# Altium PCB AD9361_EXT.PcbDoc (part 8 of 9) (continued)
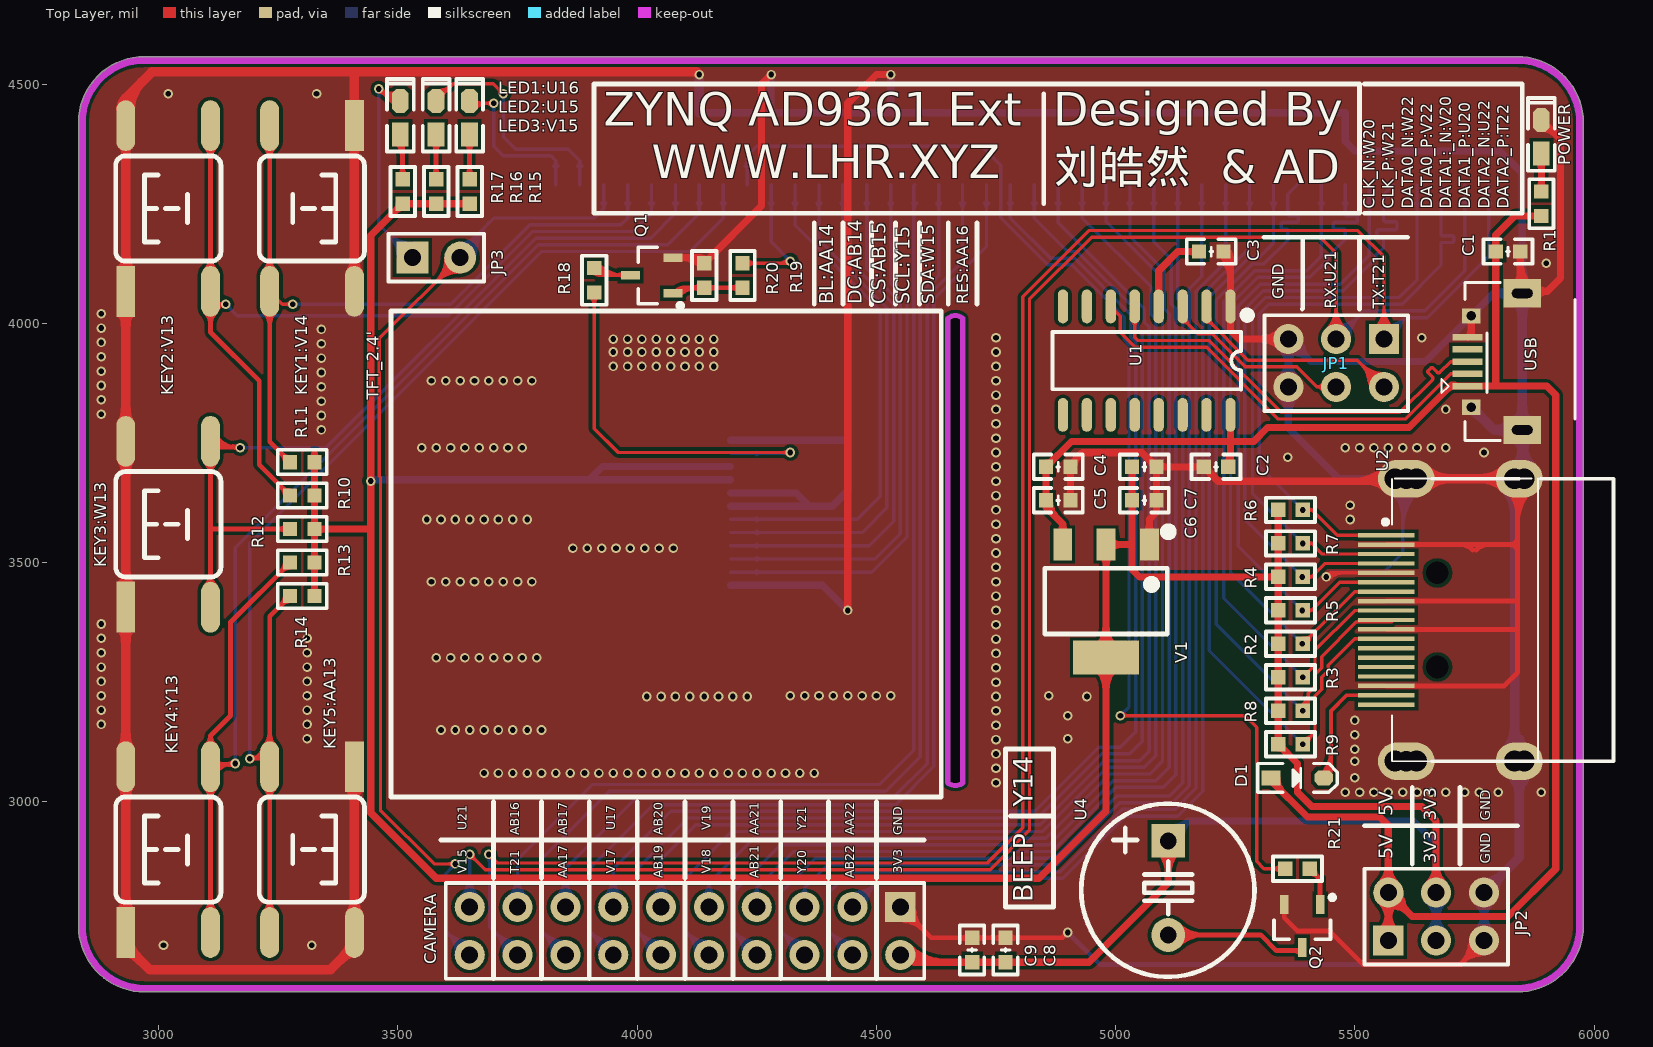
[diagram p0: Top Layer view]
## Nets (pads, with @x,y where several pads share a name; then routed paths per layer and width w, separated by ;. In a path a pad name is that pad's centre, name@x,y a point inside that pad or via, vN(x,y) a via of type N, cw(c..) or ccw(c..) an arc to the next point about the centre after c; other vN are vias at no path point) (continued)
  Bottom Layer w7: v1(3460,4490) 3460,4207.4 JP3.1@3530,4137.4 ; v1@3455.4,4485.4 cw(c3444.31,4474.31) 3460,4474.31 ; v1@3455.4,4485.4 cw(c3444.31,4474.31) 3460,4474.31 ; v1@3455.4,4485.4 cw(c3444.31,4474.31) 3460,4474.31 ; v1@3455.4,4485.4 cw(c3444.31,4474.31) 3460,4474.31 ; 3460,4474.31 cw(c3475.69,4474.31) v1@3464.6,4485.4 ; 3460,4474.31 cw(c3475.69,4474.31) v1@3464.6,4485.4 ; 3460,4474.31 cw(c3475.69,4474.31) v1@3464.6,4485.4 ; 3460,4474.31 cw(c3475.69,4474.31) v1@3464.6,4485.4 ; 3478.85,4188.55 cw(c3427.69,4137.4) JP3.1@3500.04,4137.4 ; 3478.85,4188.55 ccw(c3530,4239.71) JP3.1@3530,4167.37 ; 3478.85,4188.55 cw(c3427.69,4137.4) JP3.1@3500.04,4137.4 ; 3478.85,4188.55 ccw(c3530,4239.71) JP3.1@3530,4167.37 ; 3478.85,4188.55 cw(c3427.69,4137.4) JP3.1@3500.04,4137.4 ; 3478.85,4188.55 ccw(c3530,4239.71) JP3.1@3530,4167.37 ; 3478.85,4188.55 cw(c3427.69,4137.4) JP3.1@3500.04,4137.4 ; 3478.85,4188.55 ccw(c3530,4239.71) JP3.1@3530,4167.37 ; 3490.8,4176.6 cw(c3451.59,4137.4) JP3.1@3507.04,4137.4 ; 3490.8,4176.6 ccw(c3530,4215.81) JP3.1@3530,4160.37 ; 3490.8,4176.6 cw(c3451.59,4137.4) JP3.1@3507.04,4137.4 ; 3490.8,4176.6 ccw(c3530,4215.81) JP3.1@3530,4160.37 ; 3490.8,4176.6 cw(c3451.59,4137.4) JP3.1@3507.04,4137.4 ; 3490.8,4176.6 ccw(c3530,4215.81) JP3.1@3530,4160.37 ; 3490.8,4176.6 cw(c3451.59,4137.4) JP3.1@3507.04,4137.4 ; 3490.8,4176.6 ccw(c3530,4215.81) JP3.1@3530,4160.37 ; JP3.1@3502.75,4164.65 cw(c3475.49,4137.4) JP3.1@3514.04,4137.4 ; JP3.1@3502.75,4164.65 ccw(c3530,4191.91) JP3.1@3530,4153.37 ; JP3.1@3502.75,4164.65 cw(c3475.49,4137.4) JP3.1@3514.04,4137.4 ; JP3.1@3502.75,4164.65 ccw(c3530,4191.91) JP3.1@3530,4153.37 ; JP3.1@3502.75,4164.65 cw(c3475.49,4137.4) JP3.1@3514.04,4137.4 ; JP3.1@3502.75,4164.65 ccw(c3530,4191.91) JP3.1@3530,4153.37 ; JP3.1@3502.75,4164.65 cw(c3475.49,4137.4) JP3.1@3514.04,4137.4 ; JP3.1@3502.75,4164.65 ccw(c3530,4191.91) JP3.1@3530,4153.37
NetC3_1: C3.1 U1.4 | length 289.5
  Top Layer w15: U1.4@5090,4035.27 5090,4110 5130,4150 C3.1@5174.41,4150 ; 5156.3,4150 cw(c5156.3,4131.89) C3.1@5169.1,4144.69 ; 5156.3,4150 ccw(c5156.3,4168.1) C3.1@5169.1,4155.3 ; 5156.3,4150 cw(c5156.3,4131.89) C3.1@5169.1,4144.69 ; 5156.3,4150 ccw(c5156.3,4168.1) C3.1@5169.1,4155.3 ; 5156.3,4150 cw(c5156.3,4131.89) C3.1@5169.1,4144.69 ; 5156.3,4150 ccw(c5156.3,4168.1) C3.1@5169.1,4155.3 ; 5156.3,4150 cw(c5156.3,4131.89) C3.1@5169.1,4144.69 ; 5156.3,4150 ccw(c5156.3,4168.1) C3.1@5169.1,4155.3
NetD1_2: D1.2 U2.18 | length 959.8
  Top Layer w8: D1.2@5435.12,3050 5450,3064.88 ; U2.18@5566.06,3222.52 5482.52,3222.52 5450,3190 5450,3064.88 ; D1.2@5430.75,3058.31 ccw(c5384.27,3104.79) 5450,3104.79 ; D1.2@5430.75,3058.31 ccw(c5384.27,3104.79) 5450,3104.79 ; D1.2@5430.75,3058.31 ccw(c5384.27,3104.79) 5450,3104.79 ; D1.2@5430.75,3058.31 ccw(c5384.27,3104.79) 5450,3104.79 ; D1.2@5436.01,3061.35 ccw(c5431.87,3076.8) 5445.73,3068.8 ; D1.2@5436.01,3061.35 ccw(c5431.87,3076.8) 5445.73,3068.8 ; D1.2@5436.01,3061.35 ccw(c5431.87,3076.8) 5445.73,3068.8 ; D1.2@5436.01,3061.35 ccw(c5431.87,3076.8) 5445.73,3068.8 ; D1.2@5436.01,3061.35 ccw(c5431.87,3076.8) 5445.73,3068.8 ; D1.2@5436.01,3061.35 ccw(c5431.87,3076.8) 5445.73,3068.8 ; D1.2@5436.4,3052.65 ccw(c5403.58,3085.47) 5450,3085.47 ; D1.2@5436.4,3052.65 ccw(c5403.58,3085.47) 5450,3085.47 ; D1.2@5436.4,3052.65 ccw(c5403.58,3085.47) 5450,3085.47 ; D1.2@5436.4,3052.65 ccw(c5403.58,3085.47) 5450,3085.47 ; D1.2@5440.55,3061.65 ccw(c5441.98,3072.9) 5450,3064.88 ; D1.2@5440.55,3061.65 ccw(c5441.98,3072.9) 5450,3064.88 ; D1.2@5440.55,3061.65 ccw(c5441.98,3072.9) 5450,3064.88 ; D1.2@5440.55,3061.65 ccw(c5441.98,3072.9) 5450,3064.88 ; D1.2@5442.06,3046.99 ccw(c5422.9,3066.16) 5450,3066.16 ; D1.2@5442.06,3046.99 ccw(c5422.9,3066.16) 5450,3066.16 ; D1.2@5442.06,3046.99 ccw(c5422.9,3066.16) 5450,3066.16 ; D1.2@5442.06,3046.99 ccw(c5422.9,3066.16) 5450,3066.16 ; 5447.37,3071.65 ccw(c5458.64,3065.14) D1.2@5448.35,3057.19 ; 5447.37,3071.65 ccw(c5458.64,3065.14) D1.2@5448.35,3057.19 ; 5447.37,3071.65 ccw(c5458.64,3065.14) D1.2@5448.35,3057.19 ; 5447.37,3071.65 ccw(c5458.64,3065.14) D1.2@5448.35,3057.19 ; 5447.37,3071.65 ccw(c5458.64,3065.14) D1.2@5448.35,3057.19 ; 5447.37,3071.65 ccw(c5458.64,3065.14) D1.2@5448.35,3057.19 ; D1.2@5449.02,3056.23 cw(c5454.94,3059.94) 5450,3064.88 ; D1.2@5449.02,3056.23 cw(c5454.94,3059.94) 5450,3064.88 ; D1.2@5449.02,3056.23 cw(c5454.94,3059.94) 5450,3064.88 ; D1.2@5449.02,3056.23 cw(c5454.94,3059.94) 5450,3064.88
NetJP1_2: JP1.2 U1.2 | length 3001.9
  Top Layer w7: U1.2@5190,4035.27 5190,4009.6 5276.6,3923 5505,3923 JP1.2@5561,3867 ; U1.2@5189.92,4010.34 cw(c5186.39,3996.58) 5200.11,4000.26 ; U1.2@5189.92,4010.34 cw(c5186.39,3996.58) 5200.11,4000.26 ; U1.2@5189.92,4010.34 cw(c5186.39,3996.58) 5200.11,4000.26 ; U1.2@5189.92,4010.34 cw(c5186.39,3996.58) 5200.11,4000.26 ; U1.2@5189.92,4010.34 cw(c5186.39,3996.58) 5200.11,4000.26 ; U1.2@5189.92,4010.34 cw(c5186.39,3996.58) 5200.11,4000.26 ; U1.2@5190,4003.33 cw(c5190,3988.21) 5200.69,3998.91 ; U1.2@5190,4003.33 cw(c5190,3988.21) 5200.69,3998.91 ; U1.2@5190,4003.33 cw(c5190,3988.21) 5200.69,3998.91 ; U1.2@5190,4003.33 cw(c5190,3988.21) 5200.69,3998.91 ; U1.2@5190.32,4010.71 ccw(c5202.19,4012.49) 5199.08,4000.9 ; U1.2@5190.32,4010.71 ccw(c5202.19,4012.49) 5199.08,4000.9 ; U1.2@5190.32,4010.71 ccw(c5202.19,4012.49) 5199.08,4000.9 ; U1.2@5190.32,4010.71 ccw(c5202.19,4012.49) 5199.08,4000.9 ; U1.2@5190.32,4010.71 ccw(c5202.19,4012.49) 5199.08,4000.9 ; U1.2@5190.32,4010.71 ccw(c5202.19,4012.49) 5199.08,4000.9 ; U1.2@5197.33,4010.66 ccw(c5217.58,4010.66) 5203.26,3996.34 ; U1.2@5197.33,4010.66 ccw(c5217.58,4010.66) 5203.26,3996.34 ; U1.2@5197.33,4010.66 ccw(c5217.58,4010.66) 5203.26,3996.34 ; U1.2@5197.33,4010.66 ccw(c5217.58,4010.66) 5203.26,3996.34 ; 5513.21,3914.79 cw(c5465.42,3867) JP1.2@5533,3867 ; 5513.21,3914.79 ccw(c5561,3962.58) JP1.2@5561,3895 ; 5513.21,3914.79 cw(c5465.42,3867) JP1.2@5533,3867 ; 5513.21,3914.79 ccw(c5561,3962.58) JP1.2@5561,3895 ; 5513.21,3914.79 cw(c5465.42,3867) JP1.2@5533,3867 ; 5513.21,3914.79 ccw(c5561,3962.58) JP1.2@5561,3895 ; 5513.21,3914.79 cw(c5465.42,3867) JP1.2@5533,3867 ; 5513.21,3914.79 ccw(c5561,3962.58) JP1.2@5561,3895 ; 5523.55,3902.27 ccw(c5570.81,3914.93) JP1.2@5561,3867 ; 5523.55,3902.27 ccw(c5570.81,3914.93) JP1.2@5561,3867 ; 5523.55,3902.27 ccw(c5570.81,3914.93) JP1.2@5561,3867 ; 5523.55,3902.27 ccw(c5570.81,3914.93) JP1.2@5561,3867 ; 5523.55,3902.27 ccw(c5570.81,3914.93) JP1.2@5561,3867 ; 5523.55,3902.27 ccw(c5570.81,3914.93) JP1.2@5561,3867 ; 5525.16,3902.84 cw(c5489.32,3867) JP1.2@5540,3867 ; 5525.16,3902.84 ccw(c5561,3938.68) JP1.2@5561,3888 ; 5525.16,3902.84 cw(c5489.32,3867) JP1.2@5540,3867 ; 5525.16,3902.84 ccw(c5561,3938.68) JP1.2@5561,3888 ; 5525.16,3902.84 cw(c5489.32,3867) JP1.2@5540,3867 ; 5525.16,3902.84 ccw(c5561,3938.68) JP1.2@5561,3888 ; 5525.16,3902.84 cw(c5489.32,3867) JP1.2@5540,3867 ; 5525.16,3902.84 ccw(c5561,3938.68) JP1.2@5561,3888 ; 5526.49,3891.32 ccw(c5568.27,3902.52) JP1.2@5559.59,3860.14 ; 5526.49,3891.32 ccw(c5568.27,3902.52) JP1.2@5559.59,3860.14 ; 5526.49,3891.32 ccw(c5568.27,3902.52) JP1.2@5559.59,3860.14 ; 5526.49,3891.32 ccw(c5568.27,3902.52) JP1.2@5559.59,3860.14 ; 5526.49,3891.32 ccw(c5568.27,3902.52) JP1.2@5559.59,3860.14 ; 5526.49,3891.32 ccw(c5568.27,3902.52) JP1.2@5559.59,3860.14 ; 5529.42,3880.38 ccw(c5565.73,3890.11) JP1.2@5558.19,3853.28 ; 5529.42,3880.38 ccw(c5565.73,3890.11) JP1.2@5558.19,3853.28 ; 5529.42,3880.38 ccw(c5565.73,3890.11) JP1.2@5558.19,3853.28 ; 5529.42,3880.38 ccw(c5565.73,3890.11) JP1.2@5558.19,3853.28 ; 5529.42,3880.38 ccw(c5565.73,3890.11) JP1.2@5558.19,3853.28 ; 5529.42,3880.38 ccw(c5565.73,3890.11) JP1.2@5558.19,3853.28 ; 5534.15,3888.85 ccw(c5562.69,3896.5) JP1.2@5561,3867 ; 5534.15,3888.85 ccw(c5562.69,3896.5) JP1.2@5561,3867 ; 5534.15,3888.85 ccw(c5562.69,3896.5) JP1.2@5561,3867 ; 5534.15,3888.85 ccw(c5562.69,3896.5) JP1.2@5561,3867 ; 5534.15,3888.85 ccw(c5562.69,3896.5) JP1.2@5561,3867 ; 5534.15,3888.85 ccw(c5562.69,3896.5) JP1.2@5561,3867 ; 5537.11,3890.89 cw(c5513.21,3867) JP1.2@5547,3867 ; 5537.11,3890.89 ccw(c5561,3914.79) JP1.2@5561,3881 ; 5537.11,3890.89 cw(c5513.21,3867) JP1.2@5547,3867 ; 5537.11,3890.89 ccw(c5561,3914.79) JP1.2@5561,3881 ; 5537.11,3890.89 cw(c5513.21,3867) JP1.2@5547,3867 ; 5537.11,3890.89 ccw(c5561,3914.79) JP1.2@5561,3881 ; 5537.11,3890.89 cw(c5513.21,3867) JP1.2@5547,3867 ; 5537.11,3890.89 ccw(c5561,3914.79) JP1.2@5561,3881 ; 5539.15,3893.85 cw(c5531.5,3865.31) JP1.2@5561,3867 ; 5539.15,3893.85 cw(c5531.5,3865.31) JP1.2@5561,3867 ; 5539.15,3893.85 cw(c5531.5,3865.31) JP1.2@5561,3867 ; 5539.15,3893.85 cw(c5531.5,3865.31) JP1.2@5561,3867 ; 5539.15,3893.85 cw(c5531.5,3865.31) JP1.2@5561,3867 ; 5539.15,3893.85 cw(c5531.5,3865.31) JP1.2@5561,3867
NetJP1_4: JP1.4 U1.3 | length 839.5
  Top Layer w7: U1.3@5140,4035.27 5140,4010 5172,3978 5201.8,3978 5270.8,3909 5378.4,3909 5420.39,3867 ; JP1.4@5461,3867 5420.39,3867 ; U1.3@5139.92,4010.34 cw(c5136.75,3996.95) 5150.05,4000.51 ; U1.3@5139.92,4010.34 cw(c5136.75,3996.95) 5150.05,4000.51 ; U1.3@5139.92,4010.34 cw(c5136.75,3996.95) 5150.05,4000.51 ; U1.3@5139.92,4010.34 cw(c5136.75,3996.95) 5150.05,4000.51 ; U1.3@5139.92,4010.34 cw(c5136.75,3996.95) 5150.05,4000.51 ; U1.3@5139.92,4010.34 cw(c5136.75,3996.95) 5150.05,4000.51 ; U1.3@5140,4003.33 cw(c5140,3987.24) 5151.38,3998.62 ; U1.3@5140,4003.33 cw(c5140,3987.24) 5151.38,3998.62 ; U1.3@5140,4003.33 cw(c5140,3987.24) 5151.38,3998.62 ; U1.3@5140,4003.33 cw(c5140,3987.24) 5151.38,3998.62 ; U1.3@5140.32,4010.72 ccw(c5152.54,4012.81) 5149.33,4000.83 ; U1.3@5140.32,4010.72 ccw(c5152.54,4012.81) 5149.33,4000.83 ; U1.3@5140.32,4010.72 ccw(c5152.54,4012.81) 5149.33,4000.83 ; U1.3@5140.32,4010.72 ccw(c5152.54,4012.81) 5149.33,4000.83 ; U1.3@5140.32,4010.72 ccw(c5152.54,4012.81) 5149.33,4000.83 ; U1.3@5140.32,4010.72 ccw(c5152.54,4012.81) 5149.33,4000.83 ; U1.3@5147.33,4010.66 ccw(c5166.61,4010.66) 5152.98,3997.02 ; U1.3@5147.33,4010.66 ccw(c5166.61,4010.66) 5152.98,3997.02 ; U1.3@5147.33,4010.66 ccw(c5166.61,4010.66) 5152.98,3997.02 ; U1.3@5147.33,4010.66 ccw(c5166.61,4010.66) 5152.98,3997.02 ; 5420.39,3867 cw(c5420.39,3851.55) JP1.4@5434.83,3857.04 ; 5420.39,3867 ccw(c5420.39,3882.45) JP1.4@5434.83,3876.96 ; 5420.39,3867 cw(c5420.39,3851.55) JP1.4@5434.83,3857.04 ; 5420.39,3867 ccw(c5420.39,3882.45) JP1.4@5434.83,3876.96 ; 5420.39,3867 cw(c5420.39,3851.55) JP1.4@5434.83,3857.04 ; 5420.39,3867 ccw(c5420.39,3882.45) JP1.4@5434.83,3876.96 ; 5420.39,3867 cw(c5420.39,3851.55) JP1.4@5434.83,3857.04 ; 5420.39,3867 ccw(c5420.39,3882.45) JP1.4@5434.83,3876.96
NetLED1_1: POWER.1 R1.2 | length 345
  Top Layer w15: POWER.1@5889.74,4355 5890,4354.75 R1.2@5890,4275.59 ; POWER.1@5882.67,4340.43 cw(c5864.98,4322.74) 5890,4322.74 ; POWER.1@5882.67,4340.43 cw(c5864.98,4322.74) 5890,4322.74 ; POWER.1@5882.67,4340.43 cw(c5864.98,4322.74) 5890,4322.74 ; POWER.1@5882.67,4340.43 cw(c5864.98,4322.74) 5890,4322.74 ; R1.2@5884.7,4280.89 ccw(c5871.9,4293.69) 5890,4293.69 ; R1.2@5884.7,4280.89 ccw(c5871.9,4293.69) 5890,4293.69 ; R1.2@5884.7,4280.89 ccw(c5871.9,4293.69) 5890,4293.69 ; R1.2@5884.7,4280.89 ccw(c5871.9,4293.69) 5890,4293.69 ; 5890,4293.69 ccw(c5908.11,4293.69) R1.2@5895.31,4280.89 ; 5890,4293.69 ccw(c5908.11,4293.69) R1.2@5895.31,4280.89 ; 5890,4293.69 ccw(c5908.11,4293.69) R1.2@5895.31,4280.89 ; 5890,4293.69 ccw(c5908.11,4293.69) R1.2@5895.31,4280.89 ; 5890,4323.99 cw(c5913.26,4323.99) POWER.1@5896.82,4340.43 ; 5890,4323.99 cw(c5913.26,4323.99) POWER.1@5896.82,4340.43 ; 5890,4323.99 cw(c5913.26,4323.99) POWER.1@5896.82,4340.43 ; 5890,4323.99 cw(c5913.26,4323.99) POWER.1@5896.82,4340.43
NetLED2_1: LED1:U16.1 R15.2 | length 435.1
  Top Layer w10: R15.2@3649.74,4301.18 LED1:U16.1@3649.74,4395 ; LED1:U16.1@3640.91,4378.67 cw(c3619.57,4357.33) 3649.74,4357.33 ; LED1:U16.1@3640.91,4378.67 cw(c3619.57,4357.33) 3649.74,4357.33 ; LED1:U16.1@3640.91,4378.67 cw(c3619.57,4357.33) 3649.74,4357.33 ; LED1:U16.1@3640.91,4378.67 cw(c3619.57,4357.33) 3649.74,4357.33 ; R15.2@3642.67,4308.25 ccw(c3625.6,4325.32) 3649.74,4325.32 ; R15.2@3642.67,4308.25 ccw(c3625.6,4325.32) 3649.74,4325.32 ; R15.2@3642.67,4308.25 ccw(c3625.6,4325.32) 3649.74,4325.32 ; R15.2@3642.67,4308.25 ccw(c3625.6,4325.32) 3649.74,4325.32 ; 3649.74,4325.32 ccw(c3673.89,4325.32) R15.2@3656.82,4308.25 ; 3649.74,4325.32 ccw(c3673.89,4325.32) R15.2@3656.82,4308.25 ; 3649.74,4325.32 ccw(c3673.89,4325.32) R15.2@3656.82,4308.25 ; 3649.74,4325.32 ccw(c3673.89,4325.32) R15.2@3656.82,4308.25 ; 3649.74,4357.33 cw(c3679.92,4357.33) LED1:U16.1@3658.58,4378.67 ; 3649.74,4357.33 cw(c3679.92,4357.33) LED1:U16.1@3658.58,4378.67 ; 3649.74,4357.33 cw(c3679.92,4357.33) LED1:U16.1@3658.58,4378.67 ; 3649.74,4357.33 cw(c3679.92,4357.33) LED1:U16.1@3658.58,4378.67
NetLED3_1: LED2:U15.1 R16.2 | length 435.1
  Top Layer w10: R16.2@3579.74,4301.18 LED2:U15.1@3579.74,4395 ; LED2:U15.1@3570.91,4378.67 cw(c3549.57,4357.33) 3579.74,4357.33 ; LED2:U15.1@3570.91,4378.67 cw(c3549.57,4357.33) 3579.74,4357.33 ; LED2:U15.1@3570.91,4378.67 cw(c3549.57,4357.33) 3579.74,4357.33 ; LED2:U15.1@3570.91,4378.67 cw(c3549.57,4357.33) 3579.74,4357.33 ; R16.2@3572.67,4308.25 ccw(c3555.6,4325.32) 3579.74,4325.32 ; R16.2@3572.67,4308.25 ccw(c3555.6,4325.32) 3579.74,4325.32 ; R16.2@3572.67,4308.25 ccw(c3555.6,4325.32) 3579.74,4325.32 ; R16.2@3572.67,4308.25 ccw(c3555.6,4325.32) 3579.74,4325.32 ; 3579.74,4325.32 ccw(c3603.89,4325.32) R16.2@3586.82,4308.25 ; 3579.74,4325.32 ccw(c3603.89,4325.32) R16.2@3586.82,4308.25 ; 3579.74,4325.32 ccw(c3603.89,4325.32) R16.2@3586.82,4308.25 ; 3579.74,4325.32 ccw(c3603.89,4325.32) R16.2@3586.82,4308.25 ; 3579.74,4357.33 cw(c3609.92,4357.33) LED2:U15.1@3588.58,4378.67 ; 3579.74,4357.33 cw(c3609.92,4357.33) LED2:U15.1@3588.58,4378.67 ; 3579.74,4357.33 cw(c3609.92,4357.33) LED2:U15.1@3588.58,4378.67 ; 3579.74,4357.33 cw(c3609.92,4357.33) LED2:U15.1@3588.58,4378.67
NetLED4_1: LED3:V15.1 R17.2 | length 500.2
  Top Layer w10: R17.2@3509.74,4301.18 LED3:V15.1@3509.74,4390.26 ; LED3:V15.1@3496.16,4378.66 cw(c3463.37,4345.87) 3509.74,4345.87 ; LED3:V15.1@3496.16,4378.66 cw(c3463.37,4345.87) 3509.74,4345.87 ; LED3:V15.1@3496.16,4378.66 cw(c3463.37,4345.87) 3509.74,4345.87 ; LED3:V15.1@3496.16,4378.66 cw(c3463.37,4345.87) 3509.74,4345.87 ; R17.2@3502.67,4308.25 ccw(c3485.6,4325.32) 3509.74,4325.32 ; R17.2@3502.67,4308.25 ccw(c3485.6,4325.32) 3509.74,4325.32 ; R17.2@3502.67,4308.25 ccw(c3485.6,4325.32) 3509.74,4325.32 ; R17.2@3502.67,4308.25 ccw(c3485.6,4325.32) 3509.74,4325.32 ; LED3:V15.1@3503.23,4385.73 cw(c3487.51,4370.01) LED3:V15.1@3509.74,4370.01 ; LED3:V15.1@3503.23,4385.73 cw(c3487.51,4370.01) LED3:V15.1@3509.74,4370.01 ; LED3:V15.1@3503.23,4385.73 cw(c3487.51,4370.01) LED3:V15.1@3509.74,4370.01 ; LED3:V15.1@3503.23,4385.73 cw(c3487.51,4370.01) LED3:V15.1@3509.74,4370.01 ; 3509.74,4325.32 ccw(c3533.89,4325.32) R17.2@3516.82,4308.25 ; 3509.74,4325.32 ccw(c3533.89,4325.32) R17.2@3516.82,4308.25 ; 3509.74,4325.32 ccw(c3533.89,4325.32) R17.2@3516.82,4308.25 ; 3509.74,4325.32 ccw(c3533.89,4325.32) R17.2@3516.82,4308.25 ; 3509.74,4368.78 cw(c3523.72,4368.78) LED3:V15.1@3513.84,4378.66 ; 3509.74,4368.78 cw(c3523.72,4368.78) LED3:V15.1@3513.84,4378.66 ; 3509.74,4368.78 cw(c3523.72,4368.78) LED3:V15.1@3513.84,4378.66 ; 3509.74,4368.78 cw(c3523.72,4368.78) LED3:V15.1@3513.84,4378.66
NetQ1_1: Q1.1 R19.1 R20.2 | length 1115
  Top Layer w10: Q1.1@4075,4062.6 4085.83,4062.6 4089.69,4066.46 4089.69,4068.55 4095.54,4074.41 R20.2@4140,4074.41 R19.1@4220,4074.41 ; Q1.1@4081.48,4066.94 cw(c4099.52,4048.9) 4099.52,4074.41 ; Q1.1@4081.48,4066.94 cw(c4099.52,4048.9) 4099.52,4074.41 ; Q1.1@4081.48,4066.94 cw(c4099.52,4048.9) 4099.52,4074.41 ; Q1.1@4081.48,4066.94 cw(c4099.52,4048.9) 4099.52,4074.41 ; Q1.1@4088.55,4059.87 cw(c4123.66,4024.76) 4123.66,4074.41 ; Q1.1@4088.55,4059.87 cw(c4123.66,4024.76) 4123.66,4074.41 ; Q1.1@4088.55,4059.87 cw(c4123.66,4024.76) 4123.66,4074.41 ; Q1.1@4088.55,4059.87 cw(c4123.66,4024.76) 4123.66,4074.41 ; Q1.1@4089.69,4062.6 cw(c4104.06,4062.6) 4093.9,4072.77 ; Q1.1@4089.69,4062.6 cw(c4104.06,4062.6) 4093.9,4072.77 ; Q1.1@4089.69,4062.6 cw(c4104.06,4062.6) 4093.9,4072.77 ; Q1.1@4089.69,4062.6 cw(c4104.06,4062.6) 4093.9,4072.77 ; 4115.85,4074.41 cw(c4115.85,4050.27) R20.2@4132.93,4067.34 ; 4115.85,4074.41 ccw(c4115.85,4098.55) R20.2@4132.93,4081.48 ; 4115.85,4074.41 cw(c4115.85,4050.27) R20.2@4132.93,4067.34 ; 4115.85,4074.41 ccw(c4115.85,4098.55) R20.2@4132.93,4081.48 ; 4115.85,4074.41 cw(c4115.85,4050.27) R20.2@4132.93,4067.34 ; 4115.85,4074.41 ccw(c4115.85,4098.55) R20.2@4132.93,4081.48 ; 4115.85,4074.41 cw(c4115.85,4050.27) R20.2@4132.93,4067.34 ; 4115.85,4074.41 ccw(c4115.85,4098.55) R20.2@4132.93,4081.48 ; 4115.85,4074.41 cw(c4115.85,4050.27) R20.2@4132.93,4067.34 ; 4115.85,4074.41 ccw(c4115.85,4098.55) R20.2@4132.93,4081.48 ; 4115.85,4074.41 cw(c4115.85,4050.27) R20.2@4132.93,4067.34 ; 4115.85,4074.41 ccw(c4115.85,4098.55) R20.2@4132.93,4081.48 ; R20.2@4147.07,4067.34 cw(c4164.14,4050.27) 4164.14,4074.41 ; R20.2@4147.07,4067.34 cw(c4164.14,4050.27) 4164.14,4074.41 ; R20.2@4147.07,4067.34 cw(c4164.14,4050.27) 4164.14,4074.41 ; R20.2@4147.07,4067.34 cw(c4164.14,4050.27) 4164.14,4074.41 ; R20.2@4147.07,4067.34 cw(c4164.14,4050.27) 4164.14,4074.41 ; R20.2@4147.07,4067.34 cw(c4164.14,4050.27) 4164.14,4074.41 ; R20.2@4147.07,4081.48 ccw(c4164.14,4098.55) 4164.14,4074.41 ; R20.2@4147.07,4081.48 ccw(c4164.14,4098.55) 4164.14,4074.41 ; R20.2@4147.07,4081.48 ccw(c4164.14,4098.55) 4164.14,4074.41 ; R20.2@4147.07,4081.48 ccw(c4164.14,4098.55) 4164.14,4074.41 ; R20.2@4147.07,4081.48 ccw(c4164.14,4098.55) 4164.14,4074.41 ; R20.2@4147.07,4081.48 ccw(c4164.14,4098.55) 4164.14,4074.41 ; 4195.85,4074.41 cw(c4195.85,4050.25) R19.1@4212.93,4067.34 ; 4195.85,4074.41 cw(c4195.85,4050.25) R19.1@4212.93,4067.34 ; 4195.85,4074.41 cw(c4195.85,4050.25) R19.1@4212.93,4067.34 ; 4195.85,4074.41 cw(c4195.85,4050.25) R19.1@4212.93,4067.34 ; 4195.85,4074.41 cw(c4195.85,4050.25) R19.1@4212.93,4067.34 ; 4195.85,4074.41 cw(c4195.85,4050.25) R19.1@4212.93,4067.34 ; 4195.88,4074.41 ccw(c4195.88,4098.53) R19.1@4212.93,4081.48 ; 4195.88,4074.41 ccw(c4195.88,4098.53) R19.1@4212.93,4081.48 ; 4195.88,4074.41 ccw(c4195.88,4098.53) R19.1@4212.93,4081.48 ; 4195.88,4074.41 ccw(c4195.88,4098.53) R19.1@4212.93,4081.48 ; 4195.88,4074.41 ccw(c4195.88,4098.53) R19.1@4212.93,4081.48 ; 4195.88,4074.41 ccw(c4195.88,4098.53) R19.1@4212.93,4081.48
NetQ1_3: Q1.3 R18.2 | length 1621.6
  Top Layer w7: R18.2@3910,4115.58 3925.59,4100 ; Q1.3@3985.71,4100 3925.59,4100 ; R18.2@3903.29,4108.87 ccw(c3924.69,4130.27) 3924.69,4100 ; R18.2@3903.29,4108.87 ccw(c3924.69,4130.27) 3924.69,4100 ; R18.2@3903.29,4108.87 ccw(c3924.69,4130.27) 3924.69,4100 ; R18.2@3903.29,4108.87 ccw(c3924.69,4130.27) 3924.69,4100 ; R18.2@3908.24,4113.82 ccw(c3941.59,4147.17) 3941.59,4100 ; R18.2@3908.24,4113.82 ccw(c3941.59,4147.17) 3941.59,4100 ; R18.2@3908.24,4113.82 ccw(c3941.59,4147.17) 3941.59,4100 ; R18.2@3908.24,4113.82 ccw(c3941.59,4147.17) 3941.59,4100 ; R18.2@3911.76,4111.44 cw(c3918.68,4095.09) 3927.56,4110.47 ; R18.2@3911.76,4111.44 cw(c3918.68,4095.09) 3927.56,4110.47 ; R18.2@3911.76,4111.44 cw(c3918.68,4095.09) 3927.56,4110.47 ; R18.2@3911.76,4111.44 cw(c3918.68,4095.09) 3927.56,4110.47 ; R18.2@3911.76,4111.44 cw(c3918.68,4095.09) 3927.56,4110.47 ; R18.2@3911.76,4111.44 cw(c3918.68,4095.09) 3927.56,4110.47 ; R18.2@3912.02,4104.26 cw(c3914.72,4089.14) 3925.59,4100 ; R18.2@3912.02,4104.26 cw(c3914.72,4089.14) 3925.59,4100 ; R18.2@3912.02,4104.26 cw(c3914.72,4089.14) 3925.59,4100 ; R18.2@3912.02,4104.26 cw(c3914.72,4089.14) 3925.59,4100 ; R18.2@3912.98,4104.48 cw(c3918.03,4085.62) 3927.79,4102.53 ; R18.2@3912.98,4104.48 cw(c3918.03,4085.62) 3927.79,4102.53 ; R18.2@3912.98,4104.48 cw(c3918.03,4085.62) 3927.79,4102.53 ; R18.2@3912.98,4104.48 cw(c3918.03,4085.62) 3927.79,4102.53 ; R18.2@3912.98,4104.48 cw(c3918.03,4085.62) 3927.79,4102.53 ; R18.2@3912.98,4104.48 cw(c3918.03,4085.62) 3927.79,4102.53 ; R18.2@3913.19,4118.77 ccw(c3958.49,4164.07) 3958.49,4100 ; R18.2@3913.19,4118.77 ccw(c3958.49,4164.07) 3958.49,4100 ; R18.2@3913.19,4118.77 ccw(c3958.49,4164.07) 3958.49,4100 ; R18.2@3913.19,4118.77 ccw(c3958.49,4164.07) 3958.49,4100 ; R18.2@3914.49,4104.99 cw(c3925.55,4078.87) 3939.73,4103.44 ; R18.2@3914.49,4104.99 cw(c3925.55,4078.87) 3939.73,4103.44 ; R18.2@3914.49,4104.99 cw(c3925.55,4078.87) 3939.73,4103.44 ; R18.2@3914.49,4104.99 cw(c3925.55,4078.87) 3939.73,4103.44 ; R18.2@3914.49,4104.99 cw(c3925.55,4078.87) 3939.73,4103.44 ; R18.2@3914.49,4104.99 cw(c3925.55,4078.87) 3939.73,4103.44 ; R18.2@3918.13,4123.72 ccw(c3975.39,4180.97) Q1.3@3975.39,4100 ; R18.2@3918.13,4123.72 ccw(c3975.39,4180.97) Q1.3@3975.39,4100 ; R18.2@3918.13,4123.72 ccw(c3975.39,4180.97) Q1.3@3975.39,4100 ; R18.2@3918.13,4123.72 ccw(c3975.39,4180.97) Q1.3@3975.39,4100 ; R18.2@3921.11,4118.56 ccw(c3933.59,4121.91) 3927.13,4110.71 ; R18.2@3921.11,4118.56 ccw(c3933.59,4121.91) 3927.13,4110.71 ; R18.2@3921.11,4118.56 ccw(c3933.59,4121.91) 3927.13,4110.71 ; R18.2@3921.11,4118.56 ccw(c3933.59,4121.91) 3927.13,4110.71 ; R18.2@3921.11,4118.56 ccw(c3933.59,4121.91) 3927.13,4110.71 ; R18.2@3921.11,4118.56 ccw(c3933.59,4121.91) 3927.13,4110.71 ; R18.2@3921.32,4113.56 ccw(c3936.45,4110.87) 3925.59,4100 ; R18.2@3921.32,4113.56 ccw(c3936.45,4110.87) 3925.59,4100 ; R18.2@3921.32,4113.56 ccw(c3936.45,4110.87) 3925.59,4100 ; R18.2@3921.32,4113.56 ccw(c3936.45,4110.87) 3925.59,4100 ; R18.2@3921.5,4116.01 ccw(c3939.69,4116.68) 3930.59,4100.91 ; R18.2@3921.5,4116.01 ccw(c3939.69,4116.68) 3930.59,4100.91 ; R18.2@3921.5,4116.01 ccw(c3939.69,4116.68) 3930.59,4100.91 ; R18.2@3921.5,4116.01 ccw(c3939.69,4116.68) 3930.59,4100.91 ; R18.2@3921.5,4116.01 ccw(c3939.69,4116.68) 3930.59,4100.91 ; R18.2@3921.5,4116.01 ccw(c3939.69,4116.68) 3930.59,4100.91 ; 3961.95,4100 cw(c3961.95,4087.06) Q1.3@3971.09,4096.21 ; 3961.95,4100 ccw(c3961.95,4112.94) Q1.3@3971.09,4103.79 ; 3961.95,4100 cw(c3961.95,4087.06) Q1.3@3971.09,4096.21 ; 3961.95,4100 ccw(c3961.95,4112.94) Q1.3@3971.09,4103.79 ; 3961.95,4100 cw(c3961.95,4087.06) Q1.3@3971.09,4096.21 ; 3961.95,4100 ccw(c3961.95,4112.94) Q1.3@3971.09,4103.79 ; 3961.95,4100 cw(c3961.95,4087.06) Q1.3@3971.09,4096.21 ; 3961.95,4100 ccw(c3961.95,4112.94) Q1.3@3971.09,4103.79 ; 3961.97,4102.56 cw(c3959.48,4089.54) Q1.3@3970.45,4096.99 ; 3961.97,4102.56 cw(c3959.48,4089.54) Q1.3@3970.45,4096.99 ; 3961.97,4102.56 cw(c3959.48,4089.54) Q1.3@3970.45,4096.99 ; 3961.97,4102.56 cw(c3959.48,4089.54) Q1.3@3970.45,4096.99 ; 3961.97,4102.56 cw(c3959.48,4089.54) Q1.3@3970.45,4096.99 ; 3961.97,4102.56 cw(c3959.48,4089.54) Q1.3@3970.45,4096.99 ; 3962.42,4102.48 ccw(c3964.79,4114.86) Q1.3@3971.87,4104.43 ; 3962.42,4102.48 ccw(c3964.79,4114.86) Q1.3@3971.87,4104.43 ; 3962.42,4102.48 ccw(c3964.79,4114.86) Q1.3@3971.87,4104.43 ; 3962.42,4102.48 ccw(c3964.79,4114.86) Q1.3@3971.87,4104.43 ; 3962.42,4102.48 ccw(c3964.79,4114.86) Q1.3@3971.87,4104.43 ; 3962.42,4102.48 ccw(c3964.79,4114.86) Q1.3@3971.87,4104.43
NetQ2_1: Q2.1 R21.2 | length 323.5
  Top Layer w10: R21.2@5405.59,2860 5427.4,2838.18 Q2.1@5427.4,2785 ; R21.2@5405.59,2850 cw(c5405.59,2825.85) 5422.66,2842.93 ; R21.2@5405.59,2850 cw(c5405.59,2825.85) 5422.66,2842.93 ; R21.2@5405.59,2850 cw(c5405.59,2825.85) 5422.66,2842.93 ; R21.2@5405.59,2850 cw(c5405.59,2825.85) 5422.66,2842.93 ; R21.2@5415.59,2860 ccw(c5439.73,2860) 5422.66,2842.93 ; R21.2@5415.59,2860 ccw(c5439.73,2860) 5422.66,2842.93 ; R21.2@5415.59,2860 ccw(c5439.73,2860) 5422.66,2842.93 ; R21.2@5415.59,2860 ccw(c5439.73,2860) 5422.66,2842.93 ; Q2.1@5424.67,2798.55 ccw(c5418.09,2805.14) 5427.4,2805.14 ; Q2.1@5424.67,2798.55 ccw(c5418.09,2805.14) 5427.4,2805.14 ; Q2.1@5424.67,2798.55 ccw(c5418.09,2805.14) 5427.4,2805.14 ; Q2.1@5424.67,2798.55 ccw(c5418.09,2805.14) 5427.4,2805.14 ; Q2.1@5424.67,2798.55 ccw(c5418.09,2805.14) 5427.4,2805.14 ; Q2.1@5424.67,2798.55 ccw(c5418.09,2805.14) 5427.4,2805.14 ; 5427.4,2805.14 ccw(c5436.72,2805.14) Q2.1@5430.13,2798.55 ; 5427.4,2805.14 ccw(c5436.72,2805.14) Q2.1@5430.13,2798.55 ; 5427.4,2805.14 ccw(c5436.72,2805.14) Q2.1@5430.13,2798.55 ; 5427.4,2805.14 ccw(c5436.72,2805.14) Q2.1@5430.13,2798.55 ; 5427.4,2805.14 ccw(c5436.72,2805.14) Q2.1@5430.13,2798.55 ; 5427.4,2805.14 ccw(c5436.72,2805.14) Q2.1@5430.13,2798.55
NetQ2_3: Q2.3 U4.2 | length 1143
  Top Layer w10: U4.2@5110,2721.57 5303.43,2721.57 5336,2689 5386.14,2689 5390,2692.86 Q2.3@5390,2695.71 ; U4.2@5124.45,2707.13 cw(c5159.33,2672.25) 5159.33,2721.57 ; U4.2@5124.45,2707.13 cw(c5159.33,2672.25) 5159.33,2721.57 ; U4.2@5124.45,2707.13 cw(c5159.33,2672.25) 5159.33,2721.57 ; U4.2@5124.45,2707.13 cw(c5159.33,2672.25) 5159.33,2721.57 ; U4.2@5124.45,2736.02 ccw(c5159.33,2770.9) 5159.33,2721.57 ; U4.2@5124.45,2736.02 ccw(c5159.33,2770.9) 5159.33,2721.57 ; U4.2@5124.45,2736.02 ccw(c5159.33,2770.9) 5159.33,2721.57 ; U4.2@5124.45,2736.02 ccw(c5159.33,2770.9) 5159.33,2721.57 ; U4.2@5131.52,2700.06 cw(c5183.47,2648.1) 5183.47,2721.57 ; U4.2@5131.52,2700.06 cw(c5183.47,2648.1) 5183.47,2721.57 ; U4.2@5131.52,2700.06 cw(c5183.47,2648.1) 5183.47,2721.57 ; U4.2@5131.52,2700.06 cw(c5183.47,2648.1) 5183.47,2721.57 ; U4.2@5131.52,2743.09 ccw(c5183.47,2795.05) 5183.47,2721.57 ; U4.2@5131.52,2743.09 ccw(c5183.47,2795.05) 5183.47,2721.57 ; U4.2@5131.52,2743.09 ccw(c5183.47,2795.05) 5183.47,2721.57 ; U4.2@5131.52,2743.09 ccw(c5183.47,2795.05) 5183.47,2721.57 ; 5370.74,2689 cw(c5370.74,2665.63) Q2.3@5387.27,2682.15 ; 5370.74,2689 cw(c5370.74,2665.63) Q2.3@5387.27,2682.15 ; 5370.74,2689 cw(c5370.74,2665.63) Q2.3@5387.27,2682.15 ; 5370.74,2689 cw(c5370.74,2665.63) Q2.3@5387.27,2682.15